# KiCad board oresat-acs-card.kicad_pcb (continued)
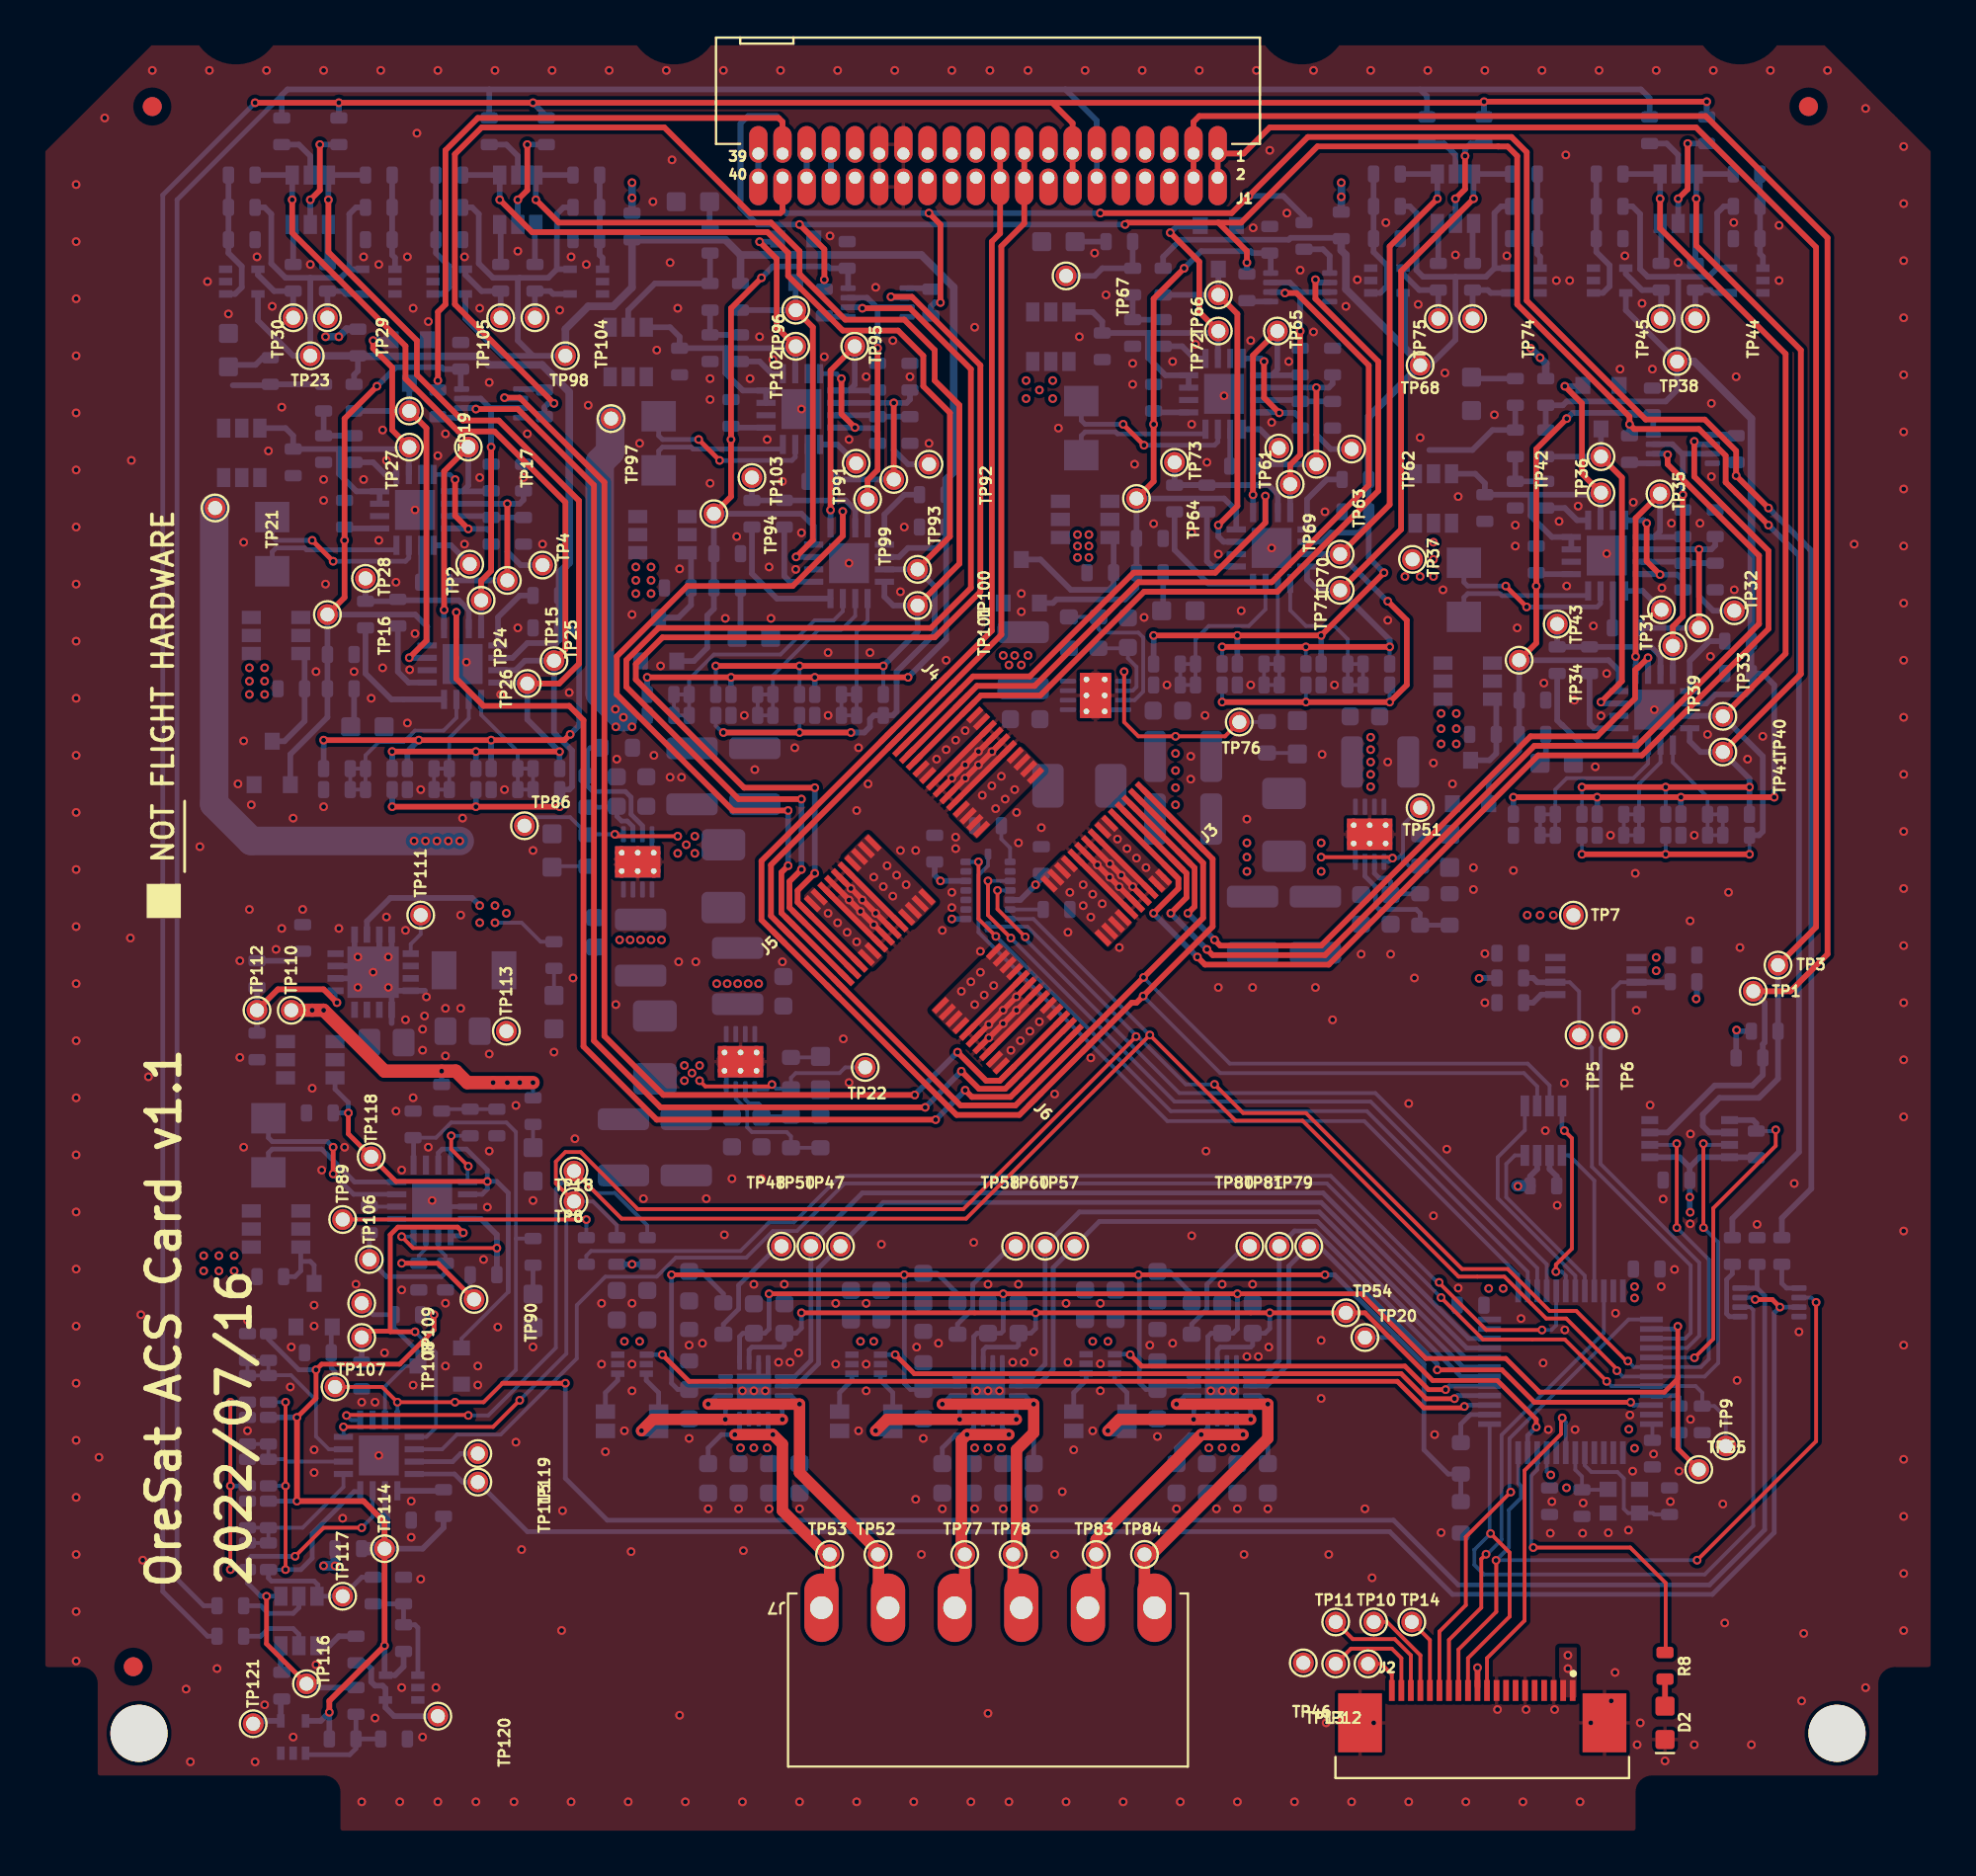
[diagram p0: board, top side]
## Routing (per net, layer and track width the routed paths; a pad name or vN(x,y) marks a point on that pad's centre or on a via; arc(x,y) is an arc through that point) (continued)
/Sensor Power Domain/AD0: length 9.3
  Bottom w0.2: R201.1 R204.1 R202.2 R203.2 R201.1 ; R201.1 13.9,16.3 16.04,18.44 U29.1
/Sensor Power Domain/AD1: length 7.8
  Bottom w0.2: R208.1 12.93,19.9 13.06,19.78 U29.2 ; R208.1 R206.2 R207.2 R205.1 R208.1
/Sensor Power Domain/AD2: length 10.5
  Bottom w0.2: U29.3 15.28,20.43 14.6,21.1 14.6,23 13.28,24.32 12.12,24.32 ; R212.1 R209.1 R211.2 R210.2 R212.1
  Bottom w0.25: 12.12,24.32 R212.1
/Sensor Power Domain/CB-RESET: length 21
  Top w0.25: 18.5,26.64 18.5,31.7 18.9,32.1 22.04,32.1 v1(22.34,31.8) ; 18.5,26.64 18.5,26.6 v1(19.8,26.6) ; 18.5,26.64 17.33,26.64 TP108.1
  Bottom w0.2: U29.9 20.4,21.08 20.9,21.58 20.9,25.5 v1(19.8,26.6)
  Bottom w0.25: v1(22.34,31.8) 22.18,31.64 21.68,31.64
  Bottom w0.3: R218.2 TP108.1
/Sensor Power Domain/CB_CTRL: length 29.6
  Top w0.25: v1(23.6,34.5) 18.8,34.5 TP118.1 16.3,37 v1(16.3,38.1)
  Bottom w0.2: Q29.1 22.24,26.25 24.7,28.7
  Bottom w0.25: Q26.3 15.6,39.35 16.3,38.65 v1(16.3,38.1) R223.1 ; U30.3 21.03,36 21.23,36.2 21.68,36.2 ; U30.6 23.33,33.83 23.6,34.1 v1(23.6,34.5) ; v1(23.6,34.5) 23.6,35.1 22.5,36.2 21.68,36.2 ; v1(23.6,34.5) 24.1,34.5 24.7,33.9 24.7,28.7 ; 21.68,36.2 21.68,35.36
/Sensor Power Domain/ON/~{OFF}: length 128.3
  Top w0.2: 24.4,23.9 23.4,22.9 v1(21.9,22.9) v1(18.88,22.9) 18.08,23.7 TP107.1
  Top w0.25: 24.4,23.9 v1(27.7,23.9)
  Bottom w0.2: 25.1,31.5 25.1,24.6 23.4,22.9 v1(21.9,22.9) ; 25.1,31.5 25.1,37.1 24.6,37.6 21.7,37.6 20.9,36.8 C48.1 ; 25.1,31.5 R267.2 ; U29.8 v1(18.88,22.9)
  Bottom w0.25: C99.2 90.3,28.9 ; 90.3,28.9 90.7,28.5 90.7,16.2 87.8,13.3 74.6,13.3 71.2,16.7 29.9,16.7 27.7,18.9 v1(27.7,23.9) ; 90.3,28.9 U41.8 ; U30.1 19.73,36.78 C48.1 ; TP107.1 15.6,24.5 15.4,24.7 R216.2 15.4,26.81
  Bottom w0.3: Q28.1 15.4,26.81
/Sensor Power Domain/PEN-SCL-FILT: length 31.8
  Top w0.2: v1(13.5,14.8) 15,16.3 v1(17,16.3) ; v1(10.1,22.9) v1(10.1,18.5) v1(10.1,14.1)
  Top w0.25: v1(12,12.7) 12,10.2 TP116.1
  Bottom w0.2: v1(17,16.3) 17.58,16.88 U29.15
  Bottom w0.25: R210.1 v1(10.1,22.9) ; R202.1 11,14.6 11.2,14.8 v1(13.5,14.8) ; R202.1 11,13.41 11.7,12.71 11.72,12.71 11.72,12.7 v1(12,12.7) Q30.4 ; R202.1 v1(10.1,14.1) ; R206.1 v1(10.1,18.5)
  Bottom w0.3: TP116.1 14.3,7.9 R273.2
/Sensor Power Domain/PEN-SDA-FILT: length 25.1
  Top w0.2: v1(13,14.1) v1(13,18.5) v1(13,22.9)
  Bottom w0.2: R212.2 v1(13,22.9) ; v1(13,18.5) R208.2 ; v1(13,14.1) R204.2
  Bottom w0.25: R269.2 17,13.7 TP117.1 Q30.6 14.7,12.7 14.7,13.3 14.5,13.5 12.26,13.5 12.1,13.66 R204.2 ; U29.16 16.88,18.2 16.6,18.2 14.4,16 14.4,14.7 13.8,14.1 v1(13,14.1)
/Sensor Power Domain/~{FAULT}: length 9.1
  Bottom w0.2: Q29.3 19.3,24.8 18.23,23.73 U29.7
  Bottom w0.25: Q29.3 19.96,25.55 18.7,26.8 R226.1 17.6,27.5 TP109.1
BOOT0: length 83.3
  Top w0.2: v1(73.7,28.4) 75.9,26.2 80.2,26.2 v1(82.4,24)
  Bottom w0.2: U29.10 21.23,20.43 22,21.2 24.3,21.2 28.3,25.2 28.3,28 29.8,29.5 32.5,29.5 33.5,30.5 37.2,30.5 38.6,31.9 39.86,31.9 42.36,34.4 67.7,34.4 v1(73.7,28.4) ; v1(82.4,24) 82.65,23.75 U15.44 87.07,23.75 87.42,23.4 R7.2 88.06,22.7 88.66,22.1 TP9.1
BOOT0_Q1: length 40.2
  Top w0.3: J3.P$28 J3.P$3 60.75,50.98 60.75,48.95 v1(60.4,48.6) ; v1(84.57,62.03) 84.04,61.5 84,61.5 83.89,61.39 83.89,59.89 81.9,57.9 78.4,57.9 67.4,46.9 62.1,46.9 v1(61.8,47.2)
  Bottom w0.3: v1(84.57,62.03) 84.58,62.03 U9.10 ; v1(60.4,48.6) v1(61.8,47.2)
BOOT0_Q2: length 26.3
  Top w0.3: v1(64.47,70.53) 64.47,69.13 61.84,66.5 57.55,66.5 52.1,61.05 49.11,61.05 J4.P$3 J4.P$28
  Bottom w0.3: U17.10 64.47,69.66 v1(64.47,70.53)
BOOT0_Q3: length 40.5
  Top w0.3: v1(42.27,69.72) 42.27,68.43 39.64,65.8 34.1,65.8 30.4,62.1 30.4,60.1 36.5,54 v1(39.4,54) ; v1(39.4,51.1) 39.05,50.75 39.05,48.62 J5.P$3 J5.P$28
  Bottom w0.3: U25.10 42.28,69.72 v1(42.27,69.72) ; v1(39.4,54) v1(39.4,51.1)
BOOT0_Q4: length 58.7
  Top w0.3: v1(47.15,37.75) 32.5,37.75 28.65,41.6 28.65,58.75 27.9,59.5 23.4,59.5 21.97,60.93 21.97,62.02 v1(21.97,64.42) ; J6.P$28 J6.P$3 51.08,38.95 49.05,38.95 v1(48.7,39.3)
  Bottom w0.3: v1(47.15,37.75) v1(48.7,39.3) ; v1(21.97,64.42) 21.98,64.42 U5.10
C3-UART-RX: length 156.7
  Top w0.3: v1(55.8,85.4) 62.7,85.4 66.7,89.4 77.4,89.4 78.2,88.6 78.2,80.8 84.45,74.55 87.55,74.55 89.2,72.9 v1(89.2,71.6) v1(90.9,69.9) ; 39.11,87.26 39.11,85.51 39,85.4 37.4,85.4 32.9,89.9 23.3,89.9 21.89,88.49 21.89,80.61 v1(27.1,75.4) ; v1(46.8,85.4) 47.4,84.8 v1(47.4,80.7)
  Bottom w0.3: v1(27.1,75.4) 26.8,75.4 26.6,75.2 R120.1 ; v1(90.9,69.9) 93.15,67.65 93.15,34.13 91.6,32.58 R122.1 ; v1(47.4,80.7) 47.1,80.7 46.9,80.5 R38.1 ; v1(55.8,85.4) 39.3,85.4 39.11,85.6 39.11,87.26 ; R116.1 v1(89.2,71.6) ; v1(63.6,86.3) 65.41,86.3 66.5,85.21 R118.1
C3-UART-TX: length 158.9
  Top w0.3: v1(21,76.6) 21.01,76.61 21.01,80.21 21.4,80.6 21.4,88.7 23.1,90.4 38.9,90.4 39.11,90.2 J1.37 ; v1(41.3,81.9) 41.31,81.91 41.31,83.49 v1(40,84.8) ; v1(90.9,69) 88.65,71.25 88.65,72.65 87.25,74.05 83.85,74.05 v1(83.6,74.3) 83.6,74.7 77.7,80.6 77.7,88.4 77.2,88.9 76.7,88.9 76.69,88.91 67.21,88.91 63.2,84.9 62,84.9 ; 62,84.9 63.5,83.4 v1(63.5,82.8) ; 62,84.9 57.2,84.9 v1(57.1,84.8)
  Bottom w0.3: R115.1 v1(41.3,81.9) ; R117.1 v1(83.6,74.3) ; R123.1 89,32.55 92.5,36.05 92.5,67.4 v1(90.9,69) ; R119.1 v1(63.5,82.8) ; R121.1 v1(21,76.6) ; v1(57.1,84.8) 37.8,84.8 36.9,85.7 36.9,90.1 37.3,90.5 38.8,90.5 39.11,90.2 J1.37
CAN1_H: length 1.3
  Bottom w0.3: 41.65,87.26 J1.33
CAN1_L: length 1.3
  Bottom w0.3: J1.35 40.38,87.26
CAN2_H: length 109.1
  Top w0.3: J3.P$29 J3.P$2 61.2,51.24 61.2,48.36 v1(58.07,45.23) J6.P$29 J6.P$2 51.34,38.5 48.46,38.5 J5.P$29 J5.P$2 38.5,48.46 38.5,51.14 J4.P$29 J4.P$2 50.6,63.24 50.6,83.65 51.81,84.86 J1.17
  Bottom w0.2: U14.7 79.4,39.55 78.25,40.7 62.6,40.7 v1(58.07,45.23)
CAN2_L: length 109.9
  Top w0.3: J1.19 50.53,84.34 50.1,83.9 50.1,63.45 J4.P$1 J4.P$30 38,51.35 38,48.25 J5.P$1 J5.P$30 48.25,38 51.55,38 J6.P$1 J6.P$30 57.45,43.9 57.7,43.9 v1(58.05,44.25) 61.7,47.9 61.7,51.45 J3.P$1 J3.P$30
  Bottom w0.2: U14.6 78.75,39.5 78.05,40.2 62.1,40.2 v1(58.05,44.25)
CAN_RX: length 9.5
  Bottom w0.2: U14.4 77.58,35.88 77.12,35.42 77.12,33.68 81.25,29.55 U15.32
CAN_SHDN: length 12
  Bottom w0.2: U14.5 78.1,37.2 76.68,35.78 76.68,33.62 80.75,29.55 U15.31
CAN_TX: length 8
  Bottom w0.2: U14.1 80.43,35.88 81.75,34.55 U15.33
IMU_INT1: length 41
  Bottom w0.2: U13.16 49.9,51.1 49.4,50.6 49.4,47.6 59.32,37.68 69.66,37.68 77.75,29.59 U15.25
IMU_INT2: length 41.2
  Top w0.2: v1(49.4,51.3) 49.4,48.3 v1(50.31,47.39)
  Bottom w0.2: U13.1 v1(49.4,51.3) ; U15.26 78.25,29.75 69.8,38.2 59.5,38.2 v1(50.31,47.39)
IMU_INT3: length 39.7
  Top w0.2: v1(50.4,49.8) 50.4,48.82 v1(51.86,47.36)
  Bottom w0.2: U15.28 79.25,30.15 70.25,39.15 59.95,39.15 51.9,47.2 51.9,47.32 v1(51.86,47.36) ; U13.12 v1(50.4,49.8)
IMU_INT4: length 40.7
  Top w0.2: v1(51.1,47.3) 49.9,48.5 v1(49.9,50.3)
  Bottom w0.2: U13.13 v1(49.9,50.3) ; U15.27 78.75,29.95 70,38.7 59.7,38.7 v1(51.1,47.3)
MAG_READY: length 18.9
  Top w0.2: v1(87.01,25.24) 88,26.23 88,33.1 91.28,36.38 v1(91.28,37.22)
  Bottom w0.2: v1(87.01,25.24) 87,25.25 U15.41 ; R10.2 91.26,37.15
  Bottom w0.3: R10.2 90.26,37.55 90.08,37.73 U2.5
MAG_~{EN}: length 26.6
  Bottom w0.2: U1.3 83.11,44.98 82.74,44.6 82.75,44.59 TP6.1 82.08,41.5 82.08,35.43 87.26,30.24 87.26,26.39 86.62,25.75 U15.40
  Bottom w0.3: R3.1 85.71,44.98 U1.3
MAG_~{FAULT}: length 25.8
  Bottom w0.2: U15.39 86.52,26.25 86.81,26.54 86.81,30.09 81.62,35.28 81.62,41.53 TP5.1 80.95,44.49 80.46,44.98 U1.6
  Bottom w0.3: U1.6 78.76,44.98 78.54,45.2 R1.1
MAGNETOMETER_PWR: length 52
  In1.Cu w0.5: TP7.1 78.2,48.5 78.2,60 76.4,61.8 76.4,71.2 62.9,84.7 60,84.7 59.5,85.2 59.5,87.18 59.43,87.26 J1.5
  vias: v1(78.22,48.5) v1(78.9,48.5) v1(79.6,48.5)
MAGNETOMETER_SCL: length 93.3
  Top w0.3: TP1.1 92.05,44.5 94,46.45 94,84.1 87.6,90.5 61,90.5 60.69,90.2 J1.3 60.69,87.26
  Bottom w0.3: U2.3 85.6,37.08 88.08,39.55 90.05,39.55 90.6,40.1 R13.2 90.6,41.71 90.7,41.81 90.7,43.9 TP1.1
MAGNETOMETER_SDA: length 87.3
  Top w0.3: TP3.1 93.4,47.88 93.4,83.6 87.1,89.9 64.7,89.9 63.33,88.53 J1.1 61.97,87.26
  Bottom w0.3: TP3.1 R6.2 91.4,39.9 90.4,38.9 88.33,38.9 87.45,38.03 87.45,37.43 87.8,37.08 U2.6
MT_EN: length 1.9
  Bottom w0.25: U15.45 86.11,23.25 86.2,23.16 R22.1
MT_FAULT: length 76.9
  Top w0.25: TP55.1 86.14,20.46 86.14,24.26 ; 86.14,24.26 v1(86.14,26.89) ; 86.14,24.26 86.14,24.14 85.43,23.43 78.85,23.43 78.85,23.45 77.1,25.2 72.9,25.2 69.5,28.6 v1(63,28.6) v1(50.7,28.6) v1(38.4,28.6)
  Bottom w0.25: v1(86.14,26.89) 86,26.75 U15.38 ; v1(50.7,28.6) 50.7,26.65 50.58,26.53 C77.1 49.33,26.53 49.15,26.35 U16.13 ; v1(38.4,28.6) 38.4,26.75 38.18,26.53 C17.1 37.03,26.53 36.85,26.35 U3.13 ; U22.13 61.45,26.35 61.62,26.53 C66.1 62.78,26.53 63,26.75 v1(63,28.6) ; TP55.1 86.2,20.4 R22.2
MT_ILIM: length 2.7
  Bottom w0.25: U15.14 75.24,22.25 74.74,21.75 R20.2
MT_STBY/RST: length 58
  Top w0.25: v1(78.7,21.6) 78.7,22 76.66,24.04 73.26,24.04 69.7,27.6 TP54.1 v1(64.7,27.6) v1(52.4,27.6) v1(40.1,27.6)
  Bottom w0.25: U16.14 49.65,25.65 49.8,25.8 51.4,25.8 51.5,25.9 C55.1 52.15,26.53 52.4,26.78 v1(52.4,27.6) ; U3.14 37.35,25.65 37.5,25.8 39.1,25.8 39.2,25.9 C18.1 39.83,26.53 40.1,26.8 v1(40.1,27.6) ; v1(64.7,27.6) 64.7,26.78 64.45,26.53 C67.1 63.8,25.9 63.7,25.8 62.1,25.8 61.95,25.65 U22.14 ; v1(78.7,21.6) 78.25,21.15 U15.11
MT_X_ISENSE: length 45.5
  Top w0.25: v1(74.92,22.68) 74.85,22.61 72.79,22.61 71.4,24 34.19,24 v1(32.79,25.4)
  Bottom w0.25: v1(32.79,25.4) U4.1 ; U15.15 74.99,22.75 v1(74.92,22.68)
MT_X_OUT_A: length 22.7
  Top w0.6: v1(35.2,22.8) v1(40,22.8) 40,19.2 44.12,15.08 TP52.1 44.15,14.87 44.15,12.6 J7.5
  Bottom w0.25: C40.1 v1(40,22.8) 39.55,23.25 U3.3 ; U3.10 35.65,23.25 v1(35.2,22.8)
MT_X_OUT_B: length 17
  Top w0.6: v1(36.6,21.2) v1(38.6,21.2) 39.1,20.7 39.1,17.2 41.4,14.9 TP53.1 41.58,12.53 J7.6
  Bottom w0.25: U3.8 36.85,21.45 v1(36.6,21.2) 35.9,21.2 35.2,20.5 C27.1 ; U3.5 38.35,21.45 v1(38.6,21.2)
MT_X_PHASE: length 47.9
  Bottom w0.25: U3.1 39.75,24.25 40.6,25.1 40.6,31.1 TP50.1 40.6,31.2 43.3,33.9 67.5,33.9 75.15,26.25 U15.22
MT_X_PWM: length 47.3
  Bottom w0.25: U3.2 39.82,23.75 41,24.93 41,29.95 TP47.1 42.15,31.15 44.4,33.4 67.4,33.4 75.05,25.75 U15.21
MT_Y_ISENSE: length 33
  Top w0.25: v1(74.41,23.09) 74.4,23.08 72.92,23.08 71.6,24.4 46.03,24.4 v1(45.03,25.4)
  Bottom w0.25: U15.16 74.57,23.25 v1(74.41,23.09) ; v1(45.03,25.4) U21.1
MT_Y_OUT_A: length 21.4
  Top w0.6: v1(47.5,22.8) v1(52.3,22.8) 52.3,21.3 51.4,20.4 51.4,14.9 51.22,14.72 51.22,12.53 J7.3
  Bottom w0.25: U16.10 47.95,23.25 v1(47.5,22.8) ; C61.1 v1(52.3,22.8) 51.85,23.25 U16.3
MT_Y_OUT_B: length 16
  Top w0.6: J7.4 48.68,12.63 TP77.1 48.5,15.08 48.5,20.9 v1(48.8,21.2) v1(51,21.2)
  Bottom w0.25: U16.5 50.65,21.55 v1(51,21.2) ; U16.8 49.15,21.55 v1(48.8,21.2) 48.2,21.2 47.5,20.5 C59.1
MT_Y_PHASE: length 35.2
  Bottom w0.25: U15.20 74.95,25.25 67.3,32.9 54.7,32.9 TP60.1 52.9,24.9 52.25,24.25 U16.1
MT_Y_PWM: length 34.7
  Bottom w0.25: U15.19 74.85,24.75 67.2,32.4 55.75,32.4 TP57.1 53.33,29.98 53.33,24.63 52.45,23.75 U16.2
MT_Z_ISENSE: length 20.5
  Top w0.25: v1(73.94,23.56) 73.04,23.56 71.8,24.8 57.97,24.8 v1(57.37,25.4)
  Bottom w0.25: U23.1 57.35,25.42 v1(57.37,25.4) ; v1(73.94,23.56) 74.12,23.75 U15.17
MT_Z_OUT_A: length 23.9
  Top w0.6: J7.1 58.12,12.63 TP84.1 58.5,14.9 64.6,21 v1(64.6,22.8) v1(59.8,22.8)
  Bottom w0.25: v1(59.8,22.8) 60.25,23.25 U22.10 ; C73.1 v1(64.6,22.8) 64.15,23.25 U22.3
MT_Z_OUT_B: length 18.1
  Top w0.6: v1(63.3,21.2) v1(61.1,21.2) 55.58,15.68 55.58,12.53 J7.2
  Bottom w0.25: v1(63.3,21.2) 62.95,21.55 U22.5 ; U22.8 61.45,21.55 v1(61.1,21.2) 60.5,21.2 59.8,20.5 C71.1
MT_Z_PHASE: length 22.4
  Bottom w0.25: U15.18 74.75,24.25 67.1,31.9 66,31.9 TP81.1 65.2,25.1 64.35,24.25 U22.1
MT_Z_PWM: length 30.8
  Top w0.25: v1(73.5,24.6) 76.9,24.6 78.6,22.9 v1(83.66,22.9)
  Bottom w0.25: v1(83.66,22.9) 83.81,22.75 U15.46 ; v1(73.5,24.6) 73.5,24.9 67.3,31.1 TP79.1 65.7,30.05 65.7,24.9 64.55,23.75 U22.2
NRESET: length 17.7
  Top w0.2: 76.11,7.95 76.11,9.45 78.09,11.42 78.09,19.31 80,21.23 80,22.1
  Bottom w0.2: 80,22.1 80.25,21.85 U15.7
  vias: v1(80.06,22.08)
OPD_PWR: length 175.6
  In1.Cu w0.5: 54.83,91.73 63.77,91.73 68.46,87.04 68.46,86.2 70.5,86.2 v1(78.9,77.8) ; 54.83,91.73 34.1,91.73 31.2,88.83 31.2,80.9 29.2,78.9 19.9,78.9 19.4,79.4 17.17,79.4 16.67,78.9 6,78.9 3.3,76.2 3.3,27.8 8.4,22.7 8.4,18.71 11.21,15.9 13.3,15.9 14.9,14.3 v1(15.6,14.3) ; 54.83,91.73 53.08,89.97 53.08,87.26
  Bottom w0.4: R154.1 v1(68.46,86.26) v1(68.46,87) ; v1(15.1,78.9) v1(15.8,78.9) 16.2,79.3 R40.1 ; 79.2,77.26 79.2,77.5 v1(78.4,78.3) ; R230.1 v1(31.2,86.2) v1(31.2,87) ; 79.2,77.2 R78.1
  Bottom w0.5: R200.1 v1(15.6,14.3) v1(15,14.3)
OPD_SCL: length 168.2
  Top w0.3: 53.27,91.2 54.34,90.13 J1.13 54.34,87.26 ; 53.27,91.2 v1(26,91.2) v1(15.8,91.2) v1(11.4,91.2) ; 53.27,91.2 75.9,91.2 v1(75.96,91.26) v1(87.66,91.26)
  Bottom w0.25: v1(11.4,91.2) 6.55,86.35 6.55,12.95 8.9,10.6 R271.1
  Bottom w0.3: v1(15.8,91.2) R73.1 ; R263.1 26.7,90.5 v1(26,91.2) ; v1(75.96,91.26) R187.1 ; v1(87.66,91.26) R111.1
OPD_SDA: length 165.7
  Bottom w0.25: 12.8,91.6 7.3,86.1 7.3,13.6 8.7,12.2 R213.1
  Bottom w0.3: 23.7,91.9 53.97,91.9 ; 23.7,91.9 13.1,91.9 12.8,91.6 R53.1 ; 23.7,91.9 R243.1 ; 53.97,91.9 84.2,91.9 84.66,91.45 R91.1 ; 53.97,91.9 55.61,90.26 55.61,88.54 J1.11 55.62,87.26 ; 72.6,91.9 72.96,91.55 R167.1
PA0: length 16.6
  Top w0.2: v1(78.54,15.26) 83.64,15.26 85.5,13.4 85.5,9.79 R8.2
  Bottom w0.2: U15.10 78.75,19.35 78.44,19.04 78.44,15.37 v1(78.54,15.26)
PA2/USART2_TX: length 41.4
  Top w0.2: v1(93.4,28.15) 93.4,20.85 v1(87.15,14.6) ; v1(76.59,14.59) 76.6,14.58 76.6,11.89 74.61,9.9 74.61,7.95
  Bottom w0.2: U41.2 93.15,28.4 v1(93.4,28.15) ; v1(87.15,14.6) 76.6,14.6 v1(76.59,14.59) 77.26,15.26 77.26,17.23 77.9,17.87 77.9,18.5 77.75,18.65 U15.12
PA3/USART2_RX: length 45.2
  Top w0.2: v1(76.3,16) 77.3,15 77.3,11.64 75.11,9.45 75.11,7.95
  Bottom w0.2: U15.13 76.25,16.05 v1(76.3,16) 75.45,15.15 75.45,14.35 75.95,13.85 87.55,13.85 90.1,16.4 90.1,27.75 89.95,27.9 U41.6
PA8/POUTPROT: length 58.4
  Top w0.2: v1(73.6,29.2) 73.6,29.18 76.08,26.7 79,26.7 v1(79,26.7)
  Bottom w0.2: R9.2 28.8,30.6 29.05,30.85 36.9,30.85 38.4,32.35 39.7,32.35 42.15,34.8 67.9,34.8 73.5,29.2 v1(73.6,29.2) ; U15.29 79.75,26.95 79.5,26.7 v1(79,26.7)
PA9/CAN_SILENT: length 10.7
  Top w0.2: v1(79.73,29.76) 79.73,30.13 80.58,30.98 80.58,36.78 v1(80.18,37.18)
  Bottom w0.2: U15.30 80.25,29.55 80.04,29.76 v1(79.73,29.76)
  Bottom w0.25: v1(80.18,37.18) 80.05,37.3 U14.8
PB6/SCL: length 124.7
  Top w0.2: v1(16.04,21.6) 23.9,21.6 v1(25.3,23) ; v1(86.08,36.49) 86.08,32.08 v1(86.09,32.08) ; v1(57.68,42.12) 48.61,33.05 31.5,33.05 28.5,36.05 27.7,36.05 27.2,35.55 27.2,34.4 TP8.1 ; v1(83.51,25.06) 83.44,25.06 80.8,27.7 79.4,27.7 77.2,29.9 74.8,29.9 66.6,38.1 63.31,38.1 v1(61.8,39.61)
  Bottom w0.2: 86.06,36.43 U2.2 ; U13.8 51.97,47.89 57.68,42.18 v1(57.68,42.12) 57.78,42.12 60.29,39.61 v1(61.8,39.61) ; R11.1 30.4,32.2 29.15,33.45 TP8.1 27.75,33.05 27.75,25.45 v1(25.3,23) ; 86.06,32.1 87.76,30.4 87.76,25.16 87.35,24.75 U15.42 83.83,24.75 v1(83.51,25.06) ; v1(16.04,21.6) U29.4
PB6/SCL_Q1: length 7.1
  Bottom w0.3: R108.2 79.8,58.74 80.04,58.5 80.06,58.5 81.12,57.44 U9.4
PB6/SCL_Q2: length 6.9
  Bottom w0.3: U17.4 61.46,65.94 59.7,67.7 R184.2
PB6/SCL_Q3: length 7.1
  Bottom w0.3: U25.4 38.81,65.14 37.5,66.45 R260.2
PB6/SCL_Q4: length 7.1
  Bottom w0.3: R70.2 17.2,61.2 18.56,59.84 19.2,59.84 21.33,59.84
PB7/SDA: length 124.7
  Top w0.2: v1(87.48,36.49) 87.48,32.08 v1(87.49,32.08) ; v1(82.94,24.56) 82.94,24.64 80.28,27.3 79.22,27.3 77.02,29.5 74.62,29.5 66.42,37.7 62.9,37.7 v1(58.4,42.2) 48.75,32.55 30.65,32.55 TP18.1 ; v1(22.6,22.21) 22.46,22.21 22.46,22.23 16.23,22.23 v1(16.2,22.2)
  Bottom w0.2: v1(82.94,24.56) 83.24,24.25 U15.43 87.55,24.25 88.26,24.96 88.26,31.3 v1(87.49,32.08) ; v1(16.2,22.2) 16.44,21.96 U29.5 ; R12.1 32,32.2 30.3,33.9 29.3,33.9 TP18.1 27.2,34.1 27.2,25.76 23.65,22.21 v1(22.6,22.21) ; U13.9 52.29,48.3 58.39,42.2 v1(58.4,42.2) ; 87.46,36.43 U2.7
PB7/SDA_Q1: length 4.3
  Bottom w0.3: U9.5 81.74,58.33 81.5,58.57 R107.2
PB7/SDA_Q2: length 4.3
  Bottom w0.3: U17.5 61.68,66.83 61.4,67.1 R183.2
PB7/SDA_Q3: length 4.2
  Bottom w0.3: 40.74,66.03 39.5,66.03 39.2,66.33 R259.2
PB7/SDA_Q4: length 4.2
  Bottom w0.3: R69.2 18.9,61.29 19.47,60.73 20.44,60.73
POUT: length 16.6
  Top w0.2: v1(28.8,32.5) 28.8,32.5 TP89.1
  Bottom w0.2: TP89.1 18.82,32.5 U30.13 ; R9.1 v1(28.8,32.5)
SWCLK: length 24.6
  Top w0.2: v1(77.36,18.18) 75,15.82 75,12.24 73.61,10.85 73.61,7.95
  Bottom w0.2: U15.37 83.55,27.25 77.29,20.99 77.29,18.2
SWDIO: length 24.2
  Top w0.2: v1(76.06,14.91) 75.81,14.66 75.81,12.1 74.11,10.41 74.11,7.95
  Bottom w0.2: U15.34 82.25,26.55 76.88,21.18 76.88,15.67 76.12,14.91 v1(76.06,14.91)
UART_RX_Q1: length 57.8
  Top w0.3: v1(59.5,48.6) 60.33,49.43 60.33,50.7 J3.P$4 J3.P$27 ; v1(85.6,72.7) 85.6,72.2 90.4,67.4 90.4,63.8 84,57.4 78.6,57.4 67.6,46.4 61.7,46.4 v1(61.4,46.7)
  Bottom w0.3: v1(85.6,72.7) 85.55,72.75 U38.6 ; v1(59.5,48.6) v1(61.4,46.7)
UART_RX_Q2: length 43.2
  Top w0.3: J4.P$27 J4.P$4 49.32,60.55 52.35,60.55 57.8,66 64.8,66 69.9,71.1 69.9,77.4 66.1,81.2 v1(65.5,81.2)
  Bottom w0.3: U39.6 65.45,81.25 v1(65.5,81.2)
UART_RX_Q3: length 62.7
  Top w0.3: J5.P$27 J5.P$4 39.47,48.9 39.47,50.27 v1(40.1,50.9) ; v1(43.3,80.4) 45.8,80.4 49,77.2 49,65.7 46.89,63.59 32.59,63.59 30.9,61.9 30.9,60.5 36.8,54.6 v1(40.1,54.6)
  Bottom w0.3: v1(40.1,54.6) v1(40.1,50.9) ; v1(43.3,80.4) 43.25,80.45 U37.6
UART_RX_Q4: length 66.8
  Top w0.3: v1(48.5,40.3) 49.43,39.37 50.8,39.37 J6.P$4 J6.P$27 ; v1(46.6,38.4) 32.7,38.4 29.2,41.9 29.2,71.1 25.2,75.1 v1(23,75.1)
  Bottom w0.3: v1(48.5,40.3) v1(46.6,38.4) ; v1(23,75.1) 22.95,75.15 U40.6
UART_TX_Q1: length 60.2
  Top w0.3: v1(60.9,46.3) 61.3,45.9 67.8,45.9 78.8,56.9 84.25,56.9 90.9,63.55 90.9,67.65 87,71.55 v1(87,73.4) ; J3.P$26 J3.P$5 59.9,50.42 59.9,49.9 v1(58.6,48.6)
  Bottom w0.3: U38.2 87.15,73.25 v1(87,73.4) ; v1(58.6,48.6) v1(60.9,46.3)
UART_TX_Q2: length 43.6
  Top w0.3: J4.P$26 J4.P$5 49.53,60.05 52.65,60.05 58.1,65.5 65.1,65.5 70.4,70.8 70.4,77.6 67.1,80.9 v1(67.1,81.9)
  Bottom w0.3: U39.2 67.25,81.75 v1(67.1,81.9)
UART_TX_Q3: length 62.2
  Top w0.3: v1(40.8,55.2) 37.09,55.2 31.4,60.89 31.4,61.7 32.8,63.1 47.1,63.1 49.5,65.5 49.5,77.4 45.9,81 v1(44.8,81) ; v1(40.8,50.7) 39.9,49.8 39.9,49.18 J5.P$5 J5.P$26
  Bottom w0.3: U37.2 44.85,80.95 v1(44.8,81) ; v1(40.8,55.2) v1(40.8,50.7)
UART_TX_Q4: length 65.3
  Top w0.3: v1(48.3,41.3) 49.8,39.8 50.52,39.8 J6.P$5 J6.P$26 ; v1(46.05,39.05) 32.85,39.05 29.75,42.15 29.75,71.25 25.3,75.7 v1(24.5,75.7)
  Bottom w0.3: U40.2 24.55,75.65 v1(24.5,75.7) ; v1(48.3,41.3) v1(46.05,39.05)
VPD: length 53.4
  Top w0.25: v1(20.8,27.5) 20.8,26.7 19,24.9 14.9,24.9 v1(14.6,24.6) 14.6,23.1 v1(13.6,22.1)
  Top w0.3: v1(15.3,6.6) 15.3,7.2 v1(18.2,10.1) TP114.1 18.2,16.6 17.1,17.7 v1(13.6,17.7) v1(13.6,22.1)
  Bottom w0.2: R209.2 12.1,26.2
  Bottom w0.25: v1(14.6,24.6) 13.7,24.6 12.1,26.2 ; v1(20.8,27.5) R226.2 ; v1(13.6,17.7) R201.2
  Bottom w0.3: U29.14 18.23,16.73 C43.2 TP114.1 20.2,15.2 21.3,16.3 R214.2 ; v1(18.2,10.1) 18.2,8.6 U33.5 18.75,8.55 19.2,9 R270.2 ; R205.2 v1(13.6,22.1) ; U32.5 14.85,6.15 v1(15.3,6.6) R274.2 ; R200.2 17.2,15.2
  Bottom w0.7: 17.2,15.2 TP114.1
VPD_Q1: length 78.8
  Top w0.3: v1(91.2,54.7) v1(86.3,54.7) v1(81.9,54.7) v1(77.5,54.7)
  Bottom w0.3: v1(86.3,54.7) R79.2 ; 86.16,82.06 87.75,82.06 88.21,82.51 ; 86.16,82.06 84.56,82.06 84.16,82.46 84.16,85.36 83.75,85.76 R114.2 ; 86.16,82.06 86.16,77.66 TP38.1 ; C11.2 90,60.4 89.7,60.1 88.1,60.1 87.62,59.63 U9.14 ; C11.2 90.6,61.2 91.2,60.6 v1(91.2,54.7) ; C11.2 R92.2 ; 88.21,82.51 88.21,85.41 88.56,85.76 R110.2 ; 88.21,82.51 88.91,82.51 ; TP38.1 86.1,76.1 85.5,75.5 80.3,75.5 80.1,75.3 R78.2 R104.2 ; TP38.1 83.41,80.3 U11.5 ; R87.2 v1(77.5,54.7) ; v1(81.9,54.7) R83.2
  Bottom w0.4: TP38.1 87,77.6 90,74.6 R92.2
VPD_Q2: length 74.3
  Top w0.3: v1(70.7,66.5) v1(67.4,63.2) v1(63,63.2) v1(58.6,63.2)
  Bottom w0.3: R163.2 v1(58.6,63.2) ; R180.2 59.1,83.1 60,84 65.7,84 65.8,84.1 68.41,84.1 R154.2 ; v1(70.7,66.5) 69.9,67.3 69.9,69.1 ; 74.46,82.06 74.46,78.74 73.11,77.4 TP68.1 ; 74.46,82.06 72.75,82.06 72.41,82.41 72.41,85.41 72.06,85.76 R190.2 ; 74.46,82.06 76.06,82.06 76.5,82.51 ; 76.5,82.51 77.21,82.51 ; 76.5,82.51 76.5,85.41 76.86,85.76 R186.2 ; v1(63,63.2) R159.2 ; 69.9,69.1 69.4,68.6 67.9,68.6 67.43,68.13 U17.14 ; 69.9,69.1 C21.2 R168.2 ; R155.2 v1(67.4,63.2)
  Bottom w0.4: R168.2 69.9,74.7 TP68.1 ; R154.2 68.46,83.45 68.7,83.2 68.7,81.4 71.75,78.35 ; 71.75,78.35 72.65,77.46 ; 71.75,78.35 71.75,81.16 U19.5
VPD_Q3: length 93.9
  Top w0.3: v1(45.7,61) v1(40.8,61) v1(36.4,61) v1(32,61)
  Bottom w0.3: R244.2 C31.2 47.7,68.3 ; 27.25,82.45 26.8,82 25.3,82 ; 27.25,82.45 27.25,85.35 27.6,85.7 R262.2 ; 27.25,82.45 U28.5 ; 47.7,68.3 47.2,67.8 45.7,67.8 45.22,67.33 U25.14 ; 47.7,68.3 47.7,63 v1(45.7,61) ; 26,77.9 TP98.1 ; 26,77.9 25.2,78.7 25.2,81.9 25.3,82 ; 26,77.9 24.4,77.9 22.45,79.85 U27.5 ; R231.2 v1(40.8,61) ; R266.2 22.8,85.7 23.15,85.35 23.15,82.75 23.9,82 25.3,82 ; R239.2 v1(32,61) ; R235.2 v1(36.4,61)
  Bottom w0.4: 36.9,83.2 36.1,84 R230.2 31.2,81.49 30.21,80.5 28.9,80.5 27.7,79.3 TP98.1 ; 36.9,83.2 R256.2 ; 36.9,83.2 46.4,83.2 48.1,81.5 48.1,71.8 47.7,71.4 R244.2
VPD_Q4: length 79
  Top w0.3: v1(15,57.7) v1(20,57.7) v1(23.8,57.7) 27.65,57.7 v1(27.95,58)
  Bottom w0.3: v1(15,57.7) R49.2 ; 14.3,82 15.9,82 16.35,82.45 ; 14.3,82 13,82 12.25,82.75 12.25,85.35 11.9,85.7 R76.2 ; 14.3,82 TP23.1 13.4,77.9 11.55,79.75 U7.5 ; v1(23.8,57.7) R41.2 ; R40.2 16.8,77.1 16.6,76.9 R66.2 ; v1(27.95,58) 28.42,58.47 28.42,63.18 28,63.6 C6.2 27.4,62.97 27.23,62.8 25.7,62.8 24.93,62.03 24.16,62.03 ; 16.35,82.45 U8.5 ; 16.35,82.45 16.35,85.35 16.7,85.7 R72.2 ; v1(20,57.7) 19.4,57.1 R45.2
  Bottom w0.4: TP23.1 R40.2 16.83,77.87 23.23,77.87 23.68,77.42 26.48,77.42 27.9,76 27.9,67.02 27.4,66.52 R54.2 C6.2
~{SD}: length 1.3
  Bottom w0.3: 37.84,87.26 J1.39
Net-(C5-Pad1): length 77.9
  Top w0.25: v1(33.28,29.6) v1(45.5,29.6) v1(57.8,29.6) v1(67.6,29.6)
  Bottom w0.25: U16.11 46.68,23.75 C53.1 45.83,23.58 45.51,23.89 45.51,29.59 v1(45.5,29.6) ; R21.2 R20.1 74.07,19.13 72.8,20.4 72.8,24.9 71.4,26.3 ; 71.4,26.3 68.1,29.6 v1(67.6,29.6) ; 71.4,26.3 TP20.1 ; U22.11 58.97,23.75 C65.1 58.2,23.58 57.85,23.93 57.85,29.55 v1(57.8,29.6) ; v1(33.28,29.6) 33.28,23.9 33.6,23.58 C5.1 34.38,23.75 U3.11
Net-(C7-Pad1): length 2.9
  Bottom w0.3: C7.1 R64.2 R65.2
Net-(C9-Pad1): length 5
  Bottom w0.3: R71.1 R72.1 C9.1 18.6,83.2 18.75,83.05 U8.1
Net-(C10-Pad1): length 7.2
  Bottom w0.3: R75.1 R76.1 C10.1 10,83.3 10.7,82.6 10.7,81.5 10.35,81.15 U7.1
Net-(C12-Pad1): length 2.9
  Bottom w0.3: C12.1 R102.2 R103.2
Net-(C14-Pad1): length 5
  Bottom w0.3: 90.46,87.46 90.46,83.26 90.61,83.11 90.61,82.51
Net-(C15-Pad1): length 7.2
  Bottom w0.3: R113.1 R114.1 C15.1 81.86,83.36 82.56,82.66 82.56,81.56 82.21,81.21 U11.1
Net-(C19-Pad1): length 2.8
  Bottom w0.25: C19.1 34.83,29.78 36,28.6 R17.2
Net-(C22-Pad1): length 2.9
  Bottom w0.3: R179.2 R178.2 C22.1
Net-(C24-Pad1): length 5
  Bottom w0.3: 78.91,82.51 78.91,83.11 78.75,83.26 C24.1 R186.1 R185.1
Net-(C25-Pad1): length 7.2
  Bottom w0.3: 70,81.21 70.5,81.21 70.86,81.56 70.86,82.66 70.16,83.36 C25.1 R190.1 R189.1
Net-(C30-Pad1): length 3.5
  Bottom w0.2: U15.6 80.75,19.35 81.1,19 C30.1 82.45,18.3 X2.3
Net-(C32-Pad1): length 2.9
  Bottom w0.3: C32.1 R254.2 R255.2
Net-(C34-Pad1): length 5
  Bottom w0.3: U28.1 29.65,83.05 29.5,83.2 C34.1 R262.1 R261.1
Net-(C35-Pad1): length 7.2
  Bottom w0.3: U27.1 21.25,81.15 21.6,81.5 21.6,82.6 20.9,83.3 C35.1 R266.1 R265.1
Net-(C36-Pad1): length 7.1
  Bottom w0.2: U15.5 81.25,19.58 81.6,19.23 82.97,19.23 83.3,18.9 83.3,17.3 83.53,17.08 X2.1 84.83,17.08 84.9,17 C36.1
Net-(C44-Pad1): length 2.9
  Bottom w0.2: R224.2 R225.2 21.3,38.3 C44.1
Net-(C49-Pad1): length 6
  Bottom w0.25: R269.1 C49.1 R270.1 19.8,11.2 19.95,11.05 U33.1
Net-(C50-Pad1): length 5.9
  Bottom w0.25: R274.1 R273.1 ; R274.1 16.7,4.7 16.37,4.38 14.13,4.38 U32.1 ; R274.1 C50.1
Net-(C56-Pad1): length 2.7
  Bottom w0.25: R23.2 48.3,28.6 47.22,29.68 C56.1
Net-(C57-Pad1): length 3.9
  Bottom w0.25: R14.2 71.1,49.63 C57.1 71.05,50.25 70.85,50.45 70.45,50.45 70.2,50.7 U24.6
Net-(C68-Pad1): length 2.8
  Bottom w0.25: C68.1 59.43,29.78 60.6,28.6 R29.2
Net-(C74-Pad1): length 4.6
  Bottom w0.2: R27.1 57.2,62.53 57.25,62.58 57.25,62 57.7,61.55 57.7,60.5 57.5,60.3 U34.6
Net-(C78-Pad1): length 3.6
  Bottom w0.25: U35.6 31.25,53.15 30.95,53.45 30.65,53.45 30.4,53.7 C78.1 30.35,54.18 R32.1
Net-(C81-Pad1): length 3.7
  Bottom w0.2: U36.6 37.15,38.81 37.36,38.6 37.85,38.6 38,38.45 C81.1 38.05,37.93 R35.1
Net-(D1-PadA): length 1.6
  Bottom w0.2: D1.A 74.11,52.73 R26.2
Net-(D2-PadA): length 1.4
  Top w0.3: R8.1 D2.A
Net-(D3-PadA): length 2.4
  Bottom w0.3: R39.1 11.8,77.8 11.42,77.42 10.1,77.42 D3.A
Net-(D4-PadA): length 2.1
  Bottom w0.3: D4.A 16.6,58.58 R67.1
Net-(D5-PadA): length 2.3
  Bottom w0.3: R77.1 75.38,76.7 D5.A
Net-(D6-PadA): length 1.6
  Bottom w0.3: D6.A 79.2,56.78 R105.1
Net-(D7-PadA): length 1.6
  Bottom w0.2: R31.2 66.1,57.03 D7.A
